# KiCad board rabbit_mask.kicad_pcb (continued)
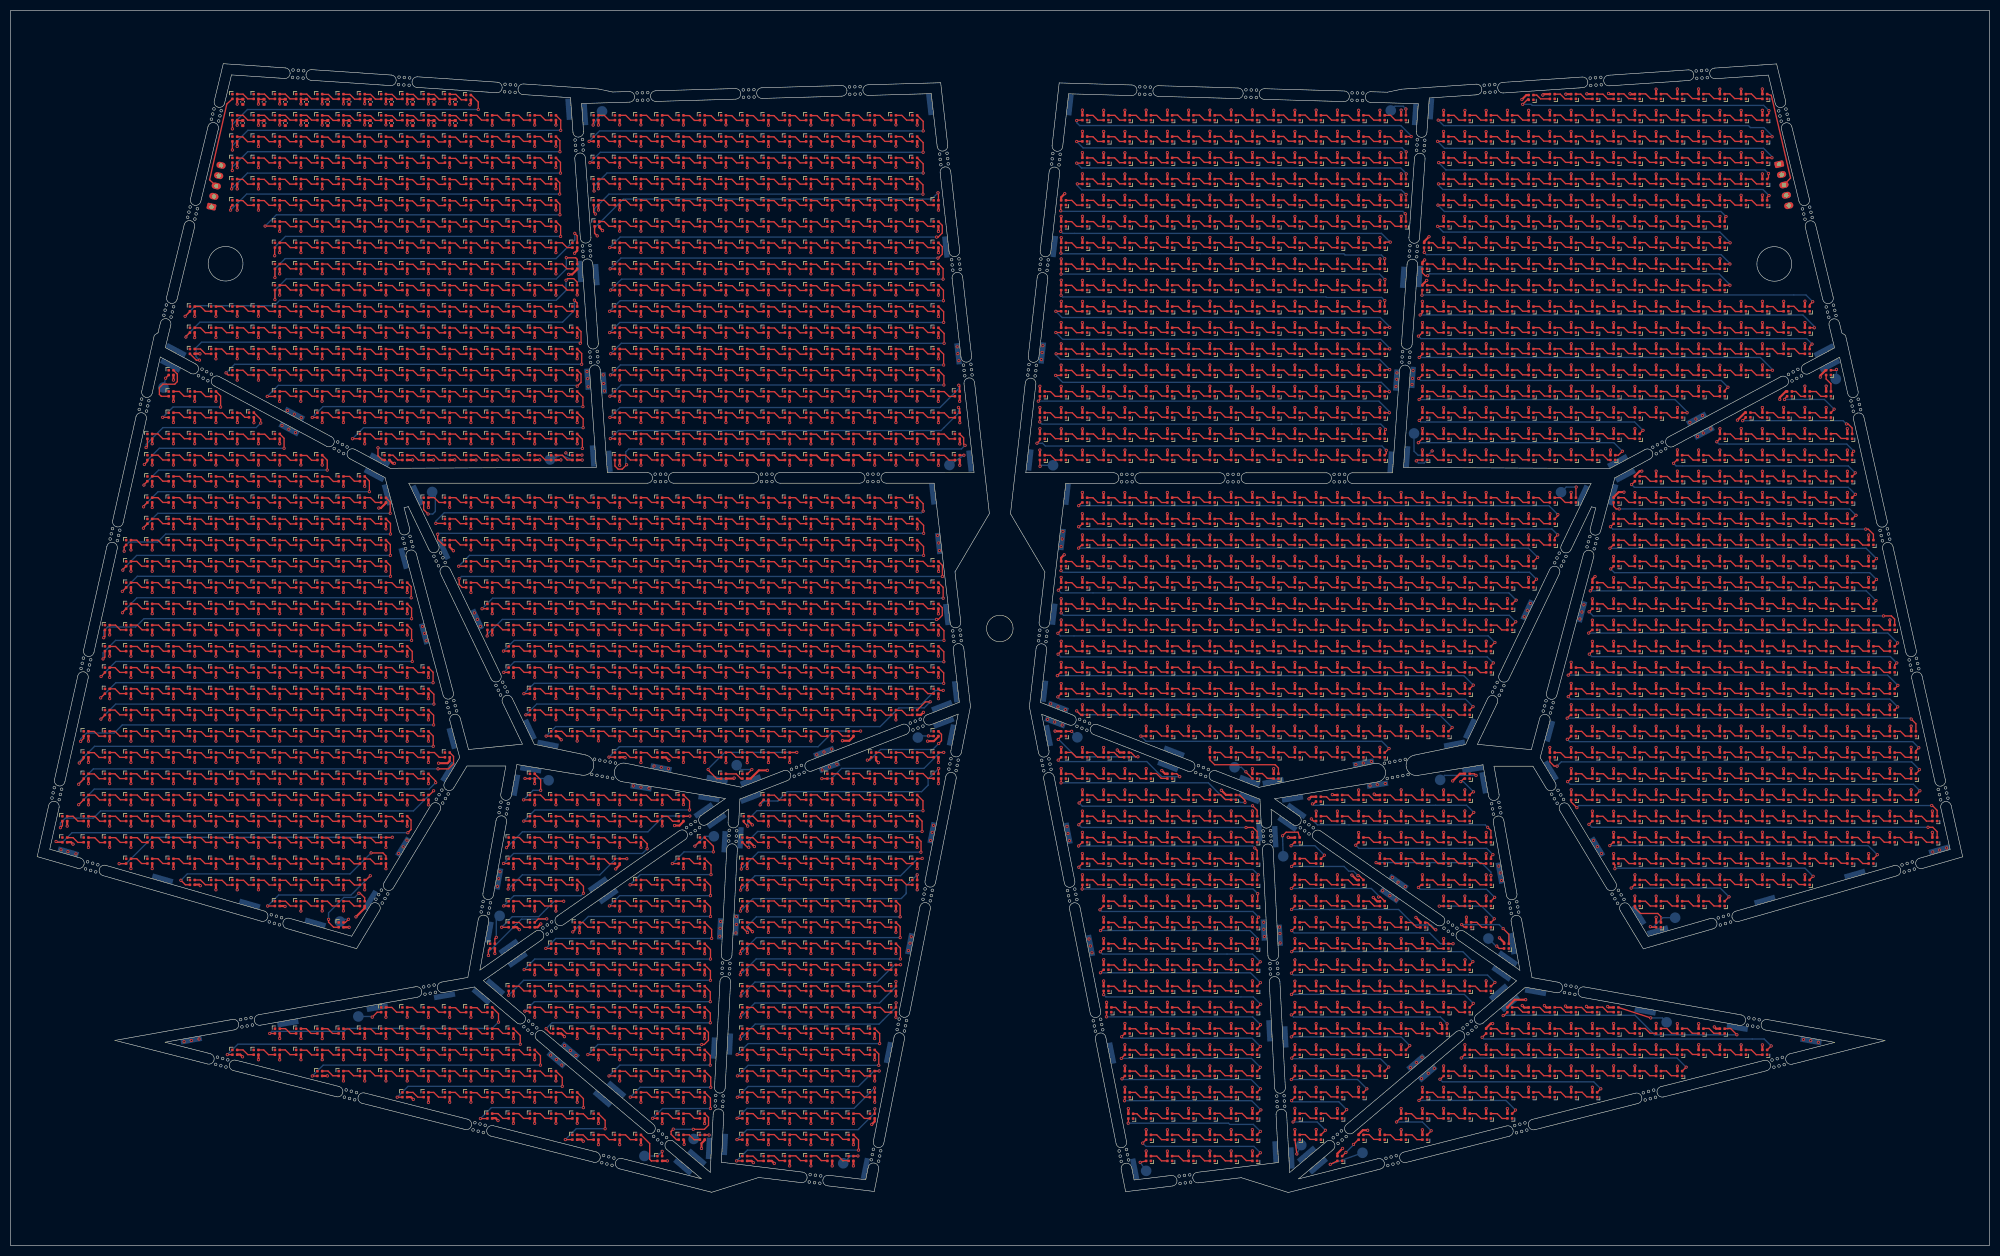
[diagram p0: board, top side]
## Routing (per net, layer and track width the routed paths; a pad name or vN(x,y) marks a point on that pad's centre or on a via; arc(x,y) is an arc through that point) (continued)
  Top w0.4: v1(292.75,216.81) 292.76,216.8 293.74,216.8 ; 281.75,36.79 v1(281.75,37.76) ; 74.65,203.96 v1(74.65,202.99) ; 134.65,207.99 v1(134.65,207.01) ; 102.65,63.94 v1(102.65,62.96) ; 18.65,75.94 v1(18.65,74.96) ; D1456.2 v1(122.65,22.94) ; 245.76,192.83 v1(245.76,193.81) ; 241.75,44.79 v1(241.75,45.76) ; 150.65,51.94 v1(150.65,50.96) ; v1(172.6,94.96) 173.8,94.96 174.65,95.82 174.65,95.94 ; 162.65,55.94 v1(162.65,54.96) ; 114.65,195.99 v1(114.65,195.01) ; 146.65,123.94 v1(146.65,122.96) ; D2359.2 v1(325.75,113.79) ; D2907.2 v1(289.75,33.79) ; 106.65,119.96 v1(106.65,118.99) ; 114.65,79.94 v1(114.65,78.96) ; 146.65,75.94 v1(146.65,74.96) ; 58.65,115.94 v1(58.65,114.96) ; D2218.2 v1(341.75,129.79) ; 106.62,147.9 v1(107.6,147.9) ; 130.65,111.94 v1(130.65,110.96) ; 237.75,104.81 v1(237.75,105.78) ; D1051.2 162.9,91.36 v1(163.35,90.91) ; 205.75,72.79 v1(205.75,73.76) ; 265.75,24.79 v1(265.75,25.76) ; 86.65,203.99 v1(86.65,203.01) ; 122.65,199.96 v1(122.65,198.99) ; 197.77,176.82 v1(197.77,177.8) ; D1930.2 v1(209.75,161.79) ; 305.75,192.8 v1(305.75,193.77) ; D2765.2 v1(225.75,57.79) ; D2242.2 v1(281.75,125.79) ; 130.65,139.96 v1(130.65,138.99) ; 317.74,216.8 v1(317.74,217.78) ; 201.75,112.78 v1(201.75,113.75) ; 233.75,164.78 v1(233.75,165.75) ; 281.76,168.81 v1(281.76,169.79) ; 273.75,204.81 v1(273.75,205.78) ; 26.65,151.94 v1(26.65,150.96) ; 58.65,67.94 v1(58.65,66.96) ; 285.75,204.83 v1(285.75,205.81) ; 122.65,111.99 v1(122.65,111.01) ; 134.65,155.94 v1(134.65,154.96) ; 337.74,92.79 v1(337.74,93.77) ; 126.63,159.99 v1(126.63,159.01) ; 345.75,140.82 v1(345.75,141.8) ; 273.74,208.79 v1(273.74,209.76) ; 26.65,107.94 v1(26.65,106.96) ; 329.75,140.82 v1(329.75,141.8) ; 289.75,176.8 v1(289.75,177.78) ; 130.65,151.94 v1(130.65,150.96) ; D1710.2 266.1,188.84 266.1,189.06 v1(267,189.96) ; 217.76,184.8 v1(217.76,185.78) ; 174.65,171.94 v1(174.65,170.96) ; 353.76,108.82 v1(353.76,109.8) ; 138.65,163.99 v1(138.65,163.01) ; 98.65,203.96 v1(98.65,202.99) ; 317.76,180.78 v1(317.76,181.75) ; 54.65,207.96 v1(54.65,206.99) ; 257.75,92.84 v1(257.75,93.81) ; 301.74,92.79 v1(301.74,93.77) ; 146.65,71.94 v1(146.65,70.96) ; 201.76,188.79 v1(201.76,189.76) ; 213.74,140.82 v1(213.74,141.8) ; 110.65,203.96 v1(110.65,202.99) ; 82.65,175.94 v1(82.65,174.96) ; D2621.2 v1(321.75,81.79) ; 58.64,31.91 v1(59.62,31.91) ; 225.75,20.81 v1(225.75,21.79) ; 205.75,88.8 v1(205.75,89.77) ; 122.65,83.99 v1(122.65,83.01) ; 34.65,67.94 35.5,67.94 v1(35.7,67.74) ; 321.75,140.79 v1(321.75,141.76) ; D2787.2 v1(249.75,53.79) ; 138.65,43.94 v1(138.65,42.96) ; 102.65,207.96 v1(102.65,206.99) ; 166.65,111.94 v1(166.65,110.96) ; 305.76,88.82 v1(305.76,89.8) ; 349.74,92.79 v1(349.74,93.77) ; 30.65,131.94 v1(30.65,130.96) ; 70.65,95.94 v1(70.65,94.96) ; 285.76,168.81 v1(285.76,169.79) ; 106.65,39.94 v1(106.65,38.96) ; D1388.2 v1(82.65,34.94) ; D2906.2 v1(285.75,33.79) ; 42.65,83.94 v1(42.65,82.96) ; 341.75,72.79 v1(341.75,73.76) ; 66.65,71.94 v1(66.65,70.96) ; 249.75,124.8 v1(249.75,125.77) ; D2879.2 v1(289.75,37.79) ; 150.65,31.94 v1(150.65,30.96) ; 138.65,175.96 v1(138.65,174.99) ; 126.65,199.96 v1(126.65,198.99) ; 42.65,127.94 v1(42.65,126.96) ; 209.76,192.81 v1(209.76,193.78) ; 142.65,23.94 v1(142.65,22.96) ; 62.65,127.94 v1(62.65,126.96) ; 273.74,84.82 v1(273.74,85.79) ; 245.75,212.82 v1(245.75,213.8) ; 134.65,171.96 v1(134.65,170.99) ; 293.75,108.84 v1(293.75,109.81) ; 162.65,39.92 v1(162.65,38.95) ; 162.65,35.94 v1(162.65,34.96) ; 329.75,204.83 v1(329.75,205.81) ; 98.65,47.94 v1(98.65,46.96) ; 38.65,119.94 v1(38.65,118.96) ; 245.75,24.79 v1(245.75,25.76) ; 325.75,36.79 v1(325.75,37.76) ; 245.75,32.79 v1(245.75,33.76) ; 162.65,135.96 v1(162.65,134.99) ; 301.75,120.79 v1(301.75,121.76) ; D2880.2 v1(293.75,37.79) ; D2677.2 v1(261.75,73.79) ; 42.65,119.94 v1(42.65,118.96) ; 134.65,119.96 v1(134.65,118.99) ; 134.65,99.94 v1(134.65,98.96) ; 277.75,32.79 v1(277.75,33.76) ; 146.65,27.94 v1(146.65,26.96) ; 174.65,195.94 v1(174.65,194.96) ; 110.65,115.96 v1(110.65,114.99) ; 321.76,188.82 v1(321.76,189.8) ; 50.65,67.94 v1(50.65,66.96) ; D990.2 171.35,99.91 v1(171.82,100.39) ; 58.65,207.96 v1(58.65,206.99) ; 205.75,116.79 v1(205.75,117.76) ; D2178.2 v1(325.75,133.79) ; 285.76,164.81 v1(285.76,165.79) ; 269.74,208.81 v1(269.74,209.79) ; 150.65,199.96 v1(150.65,198.99) ; 102.65,71.94 v1(102.65,70.96) ; 233.75,156.79 v1(233.75,157.76) ; 38.65,99.94 v1(38.65,98.96) ; 66.65,163.96 v1(66.65,162.99) ; 90.65,195.94 v1(90.65,194.96) ; 317.76,84.82 v1(317.76,85.8) ; 82.65,203.99 v1(82.65,203.01) ; 301.75,104.81 v1(301.75,105.78) ; 34.65,91.94 v1(34.65,90.96) ; 70.65,115.94 v1(70.65,114.96) ; 162.65,207.99 v1(162.65,207.01) ; 118.65,79.94 v1(118.65,78.96) ; 46.65,75.94 v1(46.65,74.96) ; 142.65,211.94 v1(142.65,210.96) ; 58.65,119.94 v1(58.65,118.96) ; 289.75,148.84 v1(289.75,149.81) ; D676.2 v1(66.65,130.94) ; 38.65,67.94 v1(38.65,66.96) ; 321.76,164.79 v1(321.76,165.76) ; D2800.2 v1(229.75,49.79) ; D2966.2 v1(229.75,17.79) ; D846.2 v1(174.65,114.94) ; 325.75,148.84 v1(325.75,149.81) ; D1130.2 v1(74.65,78.94) ; 122.63,159.99 v1(122.63,159.01) ; 217.76,188.81 v1(217.76,189.79) ; D2839.2 v1(225.75,41.79) ; D2607.2 v1(245.75,81.79) ; 30.65,83.94 v1(30.65,82.96) ; 138.65,59.94 138.77,59.94 v1(139.65,59.06) ; 170.65,115.96 v1(170.65,114.99) ; 54.65,63.94 v1(54.65,62.96) ; 126.65,67.94 v1(126.65,66.96) ; 325.75,96.83 v1(325.75,97.8) ; D2655.2 v1(325.75,77.79) ; v1(255.45,21.69) 254.53,21.69 253.75,20.91 253.75,20.79 ; 209.75,84.79 v1(209.75,85.76) ; 162.65,107.94 v1(162.65,106.96) ; 273.76,160.79 v1(273.76,161.77) ; 213.75,76.8 v1(213.75,77.78) ; 154.65,211.96 v1(154.65,210.99) ; 241.75,32.84 v1(241.75,33.81) ; 313.76,172.81 v1(313.76,173.79) ; 102.65,115.99 v1(102.65,115.01) ; D2049.2 v1(269.75,149.79) ; 209.75,88.82 v1(209.75,89.8) ; 233.75,136.84 v1(233.75,137.81) ; 301.76,168.79 v1(301.76,169.76) ; 134.65,107.96 v1(134.65,106.99) ; 146.65,39.92 v1(146.65,38.95) ; 269.76,188.8 v1(269.76,189.77) ; 82.65,187.96 v1(82.65,186.99) ; 50.65,103.94 v1(50.65,102.96) ; 209.75,204.79 v1(209.75,205.76) ; 273.75,68.79 v1(273.75,69.76) ; 253.75,108.8 v1(253.75,109.77) ; D2220.2 v1(349.75,129.79) ; D2264.2 v1(221.75,121.79) ; 329.75,36.79 v1(329.75,37.76) ; 66.65,39.94 v1(66.65,38.96) ; D2841.2 v1(233.75,41.79) ; 82.62,159.96 v1(82.62,158.99) ; 162.65,23.94 162.65,23.33 v1(162.1,22.78) ; 54.65,199.96 v1(54.65,198.99) ; v1(296.64,45.01) 296.84,44.81 D2833.2 ; 269.76,156.8 v1(269.76,157.77) ; 106.65,127.96 v1(106.65,126.99) ; 66.65,187.96 v1(66.65,186.99) ; 233.75,200.85 v1(233.75,201.82) ; 142.65,203.94 v1(142.65,202.96) ; 341.74,148.8 v1(341.74,149.78) ; 38.65,175.94 v1(38.65,174.96) ; D1965.2 v1(209.75,157.79) ; 313.76,84.82 v1(313.76,85.8) ; 201.75,128.79 v1(201.75,129.76) ; 309.75,192.8 v1(309.75,193.77) ; D2780.2 v1(217.75,53.79) ; 229.76,132.84 v1(229.76,133.81) ; D2057.2 v1(301.15,149.79) ; 142.65,67.94 v1(142.65,66.96) ; 313.75,112.79 v1(313.75,113.76) ; 253.75,168.79 v1(253.75,169.76) ; 245.76,208.83 v1(245.76,209.81) ; D1995.2 v1(341.75,157.79) ; D627.2 v1(162.65,138.94) ; 341.76,88.82 v1(341.76,89.8) ; D538.2 v1(146.65,150.94) ; 170.65,167.99 v1(170.65,167.01) ; 229.76,188.84 v1(229.76,189.81) ; 257.76,152.82 v1(257.76,153.8) ; D2537.2 v1(353.75,93.79) ; 162.67,99.94 v1(162.67,98.96) ; 253.75,196.79 v1(253.75,197.76) ; v1(156.57,95.04) 157.87,95.04 158.65,95.82 158.65,95.99 ; 98.65,207.96 v1(98.65,206.99) ; D2185.2 197.75,129.49 v1(198.32,130.06) ; 122.65,107.99 v1(122.65,107.01) ; D2247.2 v1(309.75,125.79) ; 197.75,124.82 v1(197.75,125.8) ; 265.75,124.79 v1(265.75,125.76) ; 277.74,208.79 v1(277.74,209.76) ; 253.76,148.79 v1(253.76,149.76) ; 289.76,180.83 v1(289.76,181.8) ; 30.65,135.94 v1(30.65,134.96) ; 205.75,168.79 v1(205.75,169.76) ; 70.65,79.94 v1(70.65,78.96) ; 225.76,188.84 v1(225.76,189.81) ; 150.65,131.94 v1(150.65,130.96) ; v1(136.2,88.01) 136.1,87.91 D1073.2 ; 221.75,112.8 v1(221.75,113.78) ; 289.76,152.86 v1(289.76,153.83) ; 225.76,184.83 v1(225.76,185.8) ; 237.76,188.79 v1(237.76,189.76) ; 289.75,204.83 v1(289.75,205.81) ; D2517.2 v1(245.75,93.79) ; 90.65,35.94 v1(90.65,34.96) ; 134.65,127.96 v1(134.65,126.99) ; 122.65,211.96 v1(122.65,210.99) ; 158.65,19.94 v1(158.65,18.96) ; 46.65,199.94 v1(46.65,198.96) ; 78.65,155.96 v1(78.65,154.99) ; 333.75,96.78 v1(333.75,97.75) ; D571.2 v1(134.65,146.94) ; 102.65,123.96 v1(102.65,122.99) ; 158.65,151.94 v1(158.65,150.96) ; 154.65,203.96 v1(154.65,202.99) ; 70.65,87.94 v1(70.65,86.96) ; 50.65,179.94 v1(50.65,178.96) ; 257.75,80.79 v1(257.75,81.76) ; 30.65,103.94 v1(30.65,102.96) ; 225.75,76.8 v1(225.75,77.78) ; 166.65,179.96 v1(166.65,178.99) ; 62.65,31.94 v1(62.65,30.96) ; D2387.2 v1(277.75,109.79) ; 205.75,76.78 v1(205.75,77.75) ; 217.77,176.82 v1(217.77,177.8) ; 94.65,67.94 v1(94.65,66.96) ; D2700.2 v1(221.75,69.79) ; 213.75,20.81 v1(213.75,21.79) ; D2279.2 v1(281.75,121.79) ; 74.65,35.94 v1(74.65,34.96) ; 66.65,151.92 v1(66.65,150.95) ; 122.65,95.96 v1(122.65,94.99) ; 34.65,151.94 v1(34.65,150.96) ; 94.65,203.94 v1(94.65,202.96) ; 138.65,67.94 v1(138.65,66.96) ; 66.65,155.94 v1(66.65,154.96) ; 26.65,127.94 v1(26.65,126.96) ; 321.74,208.79 v1(321.74,209.76) ; 54.65,167.94 v1(54.65,166.96) ; D2399.2 v1(337.75,109.79) ; 94.62,159.99 v1(94.62,159.01) ; 70.65,103.94 v1(70.65,102.96) ; 305.75,72.79 v1(305.75,73.76) ; 309.76,100.81 v1(309.76,101.79) ; 174.65,87.94 v1(174.65,86.96) ; 301.76,84.8 v1(301.76,85.77) ; 54.65,95.94 v1(54.65,94.96) ; 126.65,135.96 v1(126.65,134.99) ; 257.75,48.79 v1(257.75,49.76) ; 213.75,48.79 v1(213.75,49.76) ; 325.76,152.86 v1(325.76,153.83) ; 229.75,172.85 v1(229.75,173.82) ; 285.75,176.8 v1(285.75,177.78) ; 134.65,111.96 v1(134.65,110.99) ; 126.67,19.91 126.77,19.81 v1(126.77,19.01) ; 114.65,115.99 v1(114.65,115.01) ; 213.75,112.8 v1(213.75,113.78) ; 221.75,108.82 v1(221.75,109.8) ; 50.65,191.96 v1(50.65,190.99) ; 209.76,208.81 v1(209.76,209.78) ; D2355.2 v1(309.75,113.79) ; D1441.2 v1(126.65,26.94) ; 138.65,55.94 v1(138.65,54.96) ; 178.67,155.91 v1(178.67,154.94) ; 66.65,87.94 v1(66.65,86.96) ; 229.75,72.84 v1(229.75,73.81) ; 321.75,196.79 v1(321.75,197.76) ; D2654.2 v1(321.75,77.79) ; 126.65,191.96 v1(126.65,190.99) ; 110.65,51.94 v1(110.65,50.96) ; 34.65,171.94 v1(34.65,170.96) ; 265.75,56.81 v1(265.75,57.79) ; 293.75,176.83 v1(293.75,177.8) ; 277.75,196.79 v1(277.75,197.76) ; 313.75,144.84 v1(313.75,145.81) ; 90.62,159.99 v1(90.62,159.01) ; D2182.2 v1(341.75,133.79) ; 237.75,160.79 v1(237.75,161.76) ; 158.65,135.94 v1(158.65,134.96) ; D1860.2 v1(209.75,169.79) ; D2516.2 v1(241.75,93.79) ; 229.75,200.85 v1(229.75,201.82) ; 54.65,215.94 v1(54.65,214.96) ; 138.65,135.99 v1(138.65,135.01) ; 197.75,164.8 v1(197.75,165.78) ; v1(107.8,19.61) 107.48,19.94 106.65,19.94 ; 269.76,180.78 v1(269.76,181.75) ; 30.65,107.94 v1(30.65,106.96) ; 66.65,95.94 v1(66.65,94.96) ; 333.76,176.82 v1(333.76,177.8) ; v1(105.05,182.86) 105.7,182.86 106.65,183.82 106.65,183.96 ; 42.65,163.92 v1(42.65,162.95) ; 114.65,183.94 v1(114.65,182.96) ; 225.76,208.83 v1(225.76,209.81) ; 257.76,148.81 v1(257.76,149.79) ; 277.75,200.79 v1(277.75,201.76) ; 162.65,175.94 v1(162.65,174.96) ; v1(139.8,15.59) 139.47,15.91 D1479.2 ; 118.65,111.99 v1(118.65,111.01) ; 241.77,176.82 v1(241.77,177.8) ; 150.65,195.96 v1(150.65,194.99) ; 305.75,140.79 v1(305.75,141.76) ; 146.67,135.94 v1(146.67,134.96) ; 106.63,159.96 v1(106.63,158.99) ; 142.65,167.99 v1(142.65,167.01) ; 34.65,135.94 v1(34.65,134.96) ; D2804.2 v1(249.75,49.79) ; 257.75,104.83 v1(257.75,105.81) ; D2204.2 v1(273.75,129.79) ; 74.65,115.94 v1(74.65,114.96) ; 126.65,151.96 v1(126.65,150.99) ; 305.76,100.79 v1(305.76,101.76) ; 78.65,167.99 v1(78.65,167.01) ; 257.75,164.8 v1(257.75,165.78) ; 110.65,119.96 v1(110.65,118.99) ; D2184.2 v1(349.75,133.79) ; 249.75,24.79 v1(249.75,25.76) ; 122.65,175.96 v1(122.65,174.99) ; 118.65,115.99 v1(118.65,115.01) ; 233.77,176.8 v1(233.77,177.77) ; 46.65,95.94 v1(46.65,94.96) ; 253.75,136.79 v1(253.75,137.76) ; 329.76,176.82 v1(329.76,177.8) ; 233.75,48.84 v1(233.75,49.81) ; 66.65,207.99 v1(66.65,207.01) ; 241.75,48.79 v1(241.75,49.76) ; 150.65,107.99 v1(150.65,107.01) ; 102.65,55.94 v1(102.65,54.96) ; 345.76,100.82 v1(345.76,101.8) ; 126.65,59.94 v1(126.65,58.96) ; 114.65,187.94 v1(114.65,186.96) ; 245.75,40.79 v1(245.75,41.76) ; D2805.2 v1(253.75,49.79) ; 277.75,148.84 v1(277.75,149.81) ; 106.65,171.96 v1(106.65,170.99) ; 134.65,103.94 v1(134.65,102.96) ; 34.65,107.94 v1(34.65,106.96) ; D2797.2 v1(217.75,49.79) ; 126.65,207.96 v1(126.65,206.99) ; 90.62,147.92 v1(91.59,147.92) ; 42.65,79.94 v1(42.65,78.96) ; 142.65,43.94 v1(142.65,42.96) ; 126.65,55.94 v1(126.65,54.96) ; 90.65,135.99 v1(90.65,135.01) ; 277.75,72.8 v1(277.75,73.78) ; 209.75,104.83 v1(209.75,105.81) ; 313.76,100.81 v1(313.76,101.79) ; 74.68,147.91 v1(75.66,147.91) ; 201.75,164.78 v1(201.75,165.75) ; 257.75,44.79 v1(257.75,45.76) ; 142.65,103.96 v1(142.65,102.99) ; D2818.2 v1(229.75,45.79) ; 86.65,171.96 v1(86.65,170.99) ; 265.76,100.81 v1(265.76,101.79) ; D1643.2 v1(269.75,197.79) ; 158.62,159.96 v1(158.62,158.99) ; 337.74,152.86 v1(337.74,153.83) ; 293.76,164.84 v1(293.76,165.81) ; 162.65,67.94 v1(162.65,66.96) ; 38.65,95.94 v1(38.65,94.96) ; 38.65,111.94 v1(38.65,110.96) ; D1639.2 v1(249.75,197.79) ; 154.65,131.94 v1(154.65,130.96) ; 134.65,115.96 v1(134.65,114.99) ; 205.75,68.79 v1(205.75,69.76) ; 197.76,148.81 v1(197.76,149.79) ; 22.65,79.94 v1(22.65,78.96) ; 253.76,132.79 v1(253.76,133.76) ; 205.75,124.8 v1(205.75,125.77) ; 166.65,115.94 v1(166.65,114.96) ; 225.75,200.82 v1(225.75,201.8) ; 209.75,80.79 v1(209.75,81.76) ; 114.65,147.89 v1(114.65,146.91) ; D1125.2 v1(54.65,78.94) ; 70.65,99.94 v1(70.65,98.96) ; 82.65,27.94 v1(82.65,26.96) ; 265.76,184.79 265.76,185.17 v1(266.18,185.59) ; 70.65,43.94 v1(70.65,42.96) ; 229.75,196.84 v1(229.75,197.81) ; 277.75,116.8 v1(277.75,117.78) ; 213.76,188.81 v1(213.76,189.79) ; 130.65,47.89 v1(130.65,46.92) ; D2564.2 v1(357.75,89.79) ; D1163.2 v1(70.65,74.94) ; 94.65,167.99 v1(94.65,167.01) ; D2256.2 v1(345.75,125.79) ; 170.65,147.94 v1(170.65,146.96) ; 257.75,72.79 v1(257.75,73.76) ; 62.65,71.94 v1(62.65,70.96) ; D2671.2 v1(225.75,73.79) ; 162.65,155.94 v1(162.65,154.96) ; 70.65,163.96 v1(70.65,162.99) ; v1(269.15,41.81) 269.47,41.49 D2849.2 ; 134.65,131.96 v1(134.65,130.99) ; 122.65,63.94 v1(122.65,62.96) ; 98.66,59.91 99.17,59.91 v1(99.8,60.54) ; 313.75,108.79 v1(313.75,109.76) ; 178.65,159.94 v1(178.65,158.96) ; 289.75,44.79 289.08,44.79 v1(288.72,45.15) ; 62.65,191.96 v1(62.65,190.99) ; D2570.2 v1(221.75,85.79) ; 201.75,116.79 v1(201.75,117.76) ; 122.65,163.99 v1(122.65,163.01) ; 50.65,135.94 v1(50.65,134.96) ; 281.76,188.82 v1(281.76,189.8) ; 118.65,163.96 v1(118.65,162.99) ; 26.65,71.94 v1(26.65,70.96) ; 313.76,184.79 v1(313.76,185.76) ; v1(304.82,216.89) 304.94,216.78 305.74,216.78 ; 102.65,107.99 v1(102.65,107.01) ; 54.65,187.94 v1(54.65,186.96) ; 146.65,23.94 v1(146.65,22.96) ; 201.76,132.81 v1(201.76,133.79) ; 217.75,88.82 217.29,88.82 v1(216.7,89.41) ; 233.75,56.84 v1(233.75,57.81) ; D570.2 v1(130.65,146.94) ; 118.65,179.96 v1(118.65,178.99) ; D934.2 v1(74.65,102.94) ; 86.65,175.94 v1(86.65,174.96) ; v1(124.98,79.06) 125.9,79.06 126.65,79.82 126.65,79.96 ; 170.65,103.94 v1(170.65,102.96) ; 118.65,47.94 v1(118.65,46.96) ; 126.65,63.94 v1(126.65,62.96) ; 321.76,100.79 v1(321.76,101.76) ; 14.65,79.94 v1(14.65,78.96) ; D2480.2 v1(229.75,97.79) ; 253.76,192.81 v1(253.76,193.78) ; D2661.2 v1(349.75,77.79) ; 265.76,164.81 v1(265.76,165.79) ; 213.75,164.8 v1(213.75,165.78) ; D2391.2 v1(305.75,109.79) ; 297.75,212.82 v1(297.75,213.79) ; 154.65,47.94 v1(154.65,46.96) ; 138.65,167.99 v1(138.65,167.01) ; D2920.2 v1(233.75,29.79) ; 70.65,195.99 v1(70.65,195.01) ; 126.65,147.94 v1(126.65,146.96) ; 134.65,187.96 v1(134.65,186.99) ; 349.75,96.78 v1(349.75,97.75) ; 118.65,31.94 v1(118.65,30.96) ; 229.75,120.84 v1(229.75,121.81) ; 209.75,44.79 v1(209.75,45.76) ; 54.65,211.96 v1(54.65,210.99) ; 150.65,191.96 v1(150.65,190.99) ; 233.75,20.81 v1(233.75,21.79) ; D331.2 v1(150.65,174.94) ; 42.65,107.94 v1(42.65,106.96) ; 102.65,139.99 v1(102.65,139.01) ; 269.74,84.79 v1(269.74,85.77) ; 233.75,60.84 v1(233.75,61.81) ; 309.75,176.8 v1(309.75,177.78) ; 78.65,211.96 v1(78.65,210.99) ; 66.65,67.94 v1(66.65,66.96) ; 257.75,52.79 v1(257.75,53.76) ; 297.75,120.79 v1(297.75,121.76) ; 166.65,199.99 v1(166.65,199.01) ; 273.76,180.8 v1(273.76,181.78) ; 150.65,35.94 v1(150.65,34.96) ; 114.65,211.99 v1(114.65,211.01) ; 110.65,123.99 v1(110.65,123.01) ; v1(284.47,215.79) 285.32,216.64 D1485.2 ; 217.75,76.8 v1(217.75,77.78) ; 126.65,187.99 v1(126.65,187.01) ; 273.76,184.81 v1(273.76,185.79) ; 162.65,127.94 v1(162.65,126.96) ; D1168.2 v1(110.65,74.94) ; 305.75,40.84 v1(305.75,41.81) ; 154.65,111.94 v1(154.65,110.96) ; 86.65,211.99 v1(86.65,211.01) ; 162.65,115.94 v1(162.65,114.96) ; 205.75,84.79 v1(205.75,85.76) ; 245.77,176.82 v1(245.77,177.8) ; 166.65,87.94 v1(166.65,86.96) ; 74.65,195.96 v1(74.65,194.99) ; 321.76,172.79 v1(321.76,173.76) ; 86.65,135.96 v1(86.65,134.99) ; 261.75,56.79 v1(261.75,57.76) ; 257.75,112.8 v1(257.75,113.78) ; 269.75,116.78 v1(269.75,117.75) ; D2120.2 v1(225.75,137.79) ; 329.76,164.82 v1(329.76,165.8) ; 170.65,203.96 v1(170.65,202.99) ; 110.65,23.96 v1(110.65,22.99) ; 277.76,156.82 v1(277.76,157.8) ; 333.75,136.83 v1(333.75,137.8) ; D2119.2 v1(221.75,137.79) ; 261.75,212.82 v1(261.75,213.8) ; 305.75,32.84 v1(305.75,33.81) ; 174.67,123.91 v1(174.67,122.94) ; 162.65,191.99 v1(162.65,191.01) ; D1613.2 v1(285.75,201.79) ; 82.65,183.96 v1(82.65,182.99) ; 301.75,132.79 v1(301.75,133.76) ; D2618.2 v1(309.75,81.79) ; 162.65,183.96 v1(162.65,182.99) ; 174.65,91.94 v1(174.65,90.96) ; 98.65,75.94 v1(98.65,74.96) ; 257.75,212.8 v1(257.75,213.77) ; 98.65,123.99 v1(98.65,123.01) ; 82.65,211.99 v1(82.65,211.01) ; 229.75,116.84 v1(229.75,117.81) ; 217.75,24.79 v1(217.75,25.76) ; 114.65,139.94 v1(114.65,138.96) ; 146.65,99.96 v1(146.65,98.99) ; 281.75,24.79 v1(281.75,25.76) ; 94.65,211.94 v1(94.65,210.96) ; 329.76,84.8 v1(329.76,85.77) ; 150.62,159.94 v1(150.62,158.96) ; 245.75,108.82 v1(245.75,109.8) ; 90.65,199.94 v1(90.65,198.96) ; 26.65,95.94 v1(26.65,94.96) ; 38.65,71.94 v1(38.65,70.96) ; 46.65,119.94 v1(46.65,118.96) ; 166.65,75.94 v1(166.65,74.96) ; 213.75,108.82 v1(213.75,109.8) ; 122.65,195.96 v1(122.65,194.99) ; 166.65,175.94 v1(166.65,174.96) ; 301.76,88.8 v1(301.76,89.77) ; 166.65,151.94 v1(166.65,150.96) ; 134.65,123.96 v1(134.65,122.99) ; 122.65,47.89 v1(122.65,46.92) ; D2237.2 v1(261.75,125.79) ; 98.65,87.94 v1(98.65,86.96) ; 78.65,83.94 v1(78.65,82.96) ; 91.15,55.94 v1(91.15,54.96) ; 237.75,128.79 v1(237.75,129.76) ; 142.65,119.96 v1(142.65,118.99) ; 46.65,67.94 v1(46.65,66.96) ; 277.75,24.79 v1(277.75,25.76) ; D2626.2 v1(341.75,81.79) ; 118.65,107.99 v1(118.65,107.01) ; 154.65,51.94 v1(154.65,50.96) ; 213.76,180.8 v1(213.76,181.78) ; 277.76,168.81 v1(277.76,169.79) ; 217.75,108.82 v1(217.75,109.8) ; 34.65,103.94 v1(34.65,102.96) ; 293.75,192.82 v1(293.75,193.8) ; 138.65,139.94 v1(138.65,138.96) ; 110.65,111.96 v1(110.65,110.99) ; 233.76,148.79 v1(233.76,149.76) ; D2077.2 v1(345.75,145.79) ; 130.65,95.99 v1(130.65,95.01) ; D2250.2 v1(321.75,125.79) ; 98.65,179.94 v1(98.65,178.96) ; 297.75,192.85 v1(297.75,193.82) ; 42.65,115.94 v1(42.65,114.96) ; 233.75,112.78 v1(233.75,113.75) ; v1(292.68,45.07) 292.94,44.81 D2832.2 ; 62.65,131.94 v1(62.65,130.96) ; 277.75,204.81 v1(277.75,205.78) ; 257.74,64.8 257.21,64.8 v1(256.5,65.51) ; 209.76,132.79 v1(209.76,133.76) ; D1974.2 v1(245.75,157.79) ; 241.75,100.8 v1(241.75,101.77) ; 329.75,136.8 v1(329.75,137.78) ; 201.76,148.79 v1(201.76,149.76) ; 170.65,83.94 v1(170.65,82.96) ; 98.65,23.96 v1(98.65,22.99) ; 134.65,211.99 v1(134.65,211.01) ; 46.65,135.94 v1(46.65,134.96) ; 265.75,104.81 v1(265.75,105.78) ; 305.76,152.83 v1(305.76,153.81) ; 209.75,196.79 v1(209.75,197.76) ; 317.74,92.82 v1(317.74,93.79) ; 142.65,51.94 v1(142.65,50.96) ; 158.65,123.94 v1(158.65,122.96) ; 305.76,184.81 v1(305.76,185.79) ; 221.75,100.82 v1(221.75,101.8) ; D2708.2 v1(265.75,69.79) ; D748.2 v1(66.65,122.94) ; 58.65,211.96 v1(58.65,210.99) ; 217.75,124.82 